# Altium PCB iot_switch.PcbDoc
Units mm, origin at the board's own origin, x right, y up, seen from the top; angles counter-clockwise.
Board outline 55.26 x 41.79 mm, 2 copper layers (Top Layer, Bottom Layer); 68 components, 40 nets, 221 pads, 226 vias.
Unrouted connection lines stored in the file: 2.
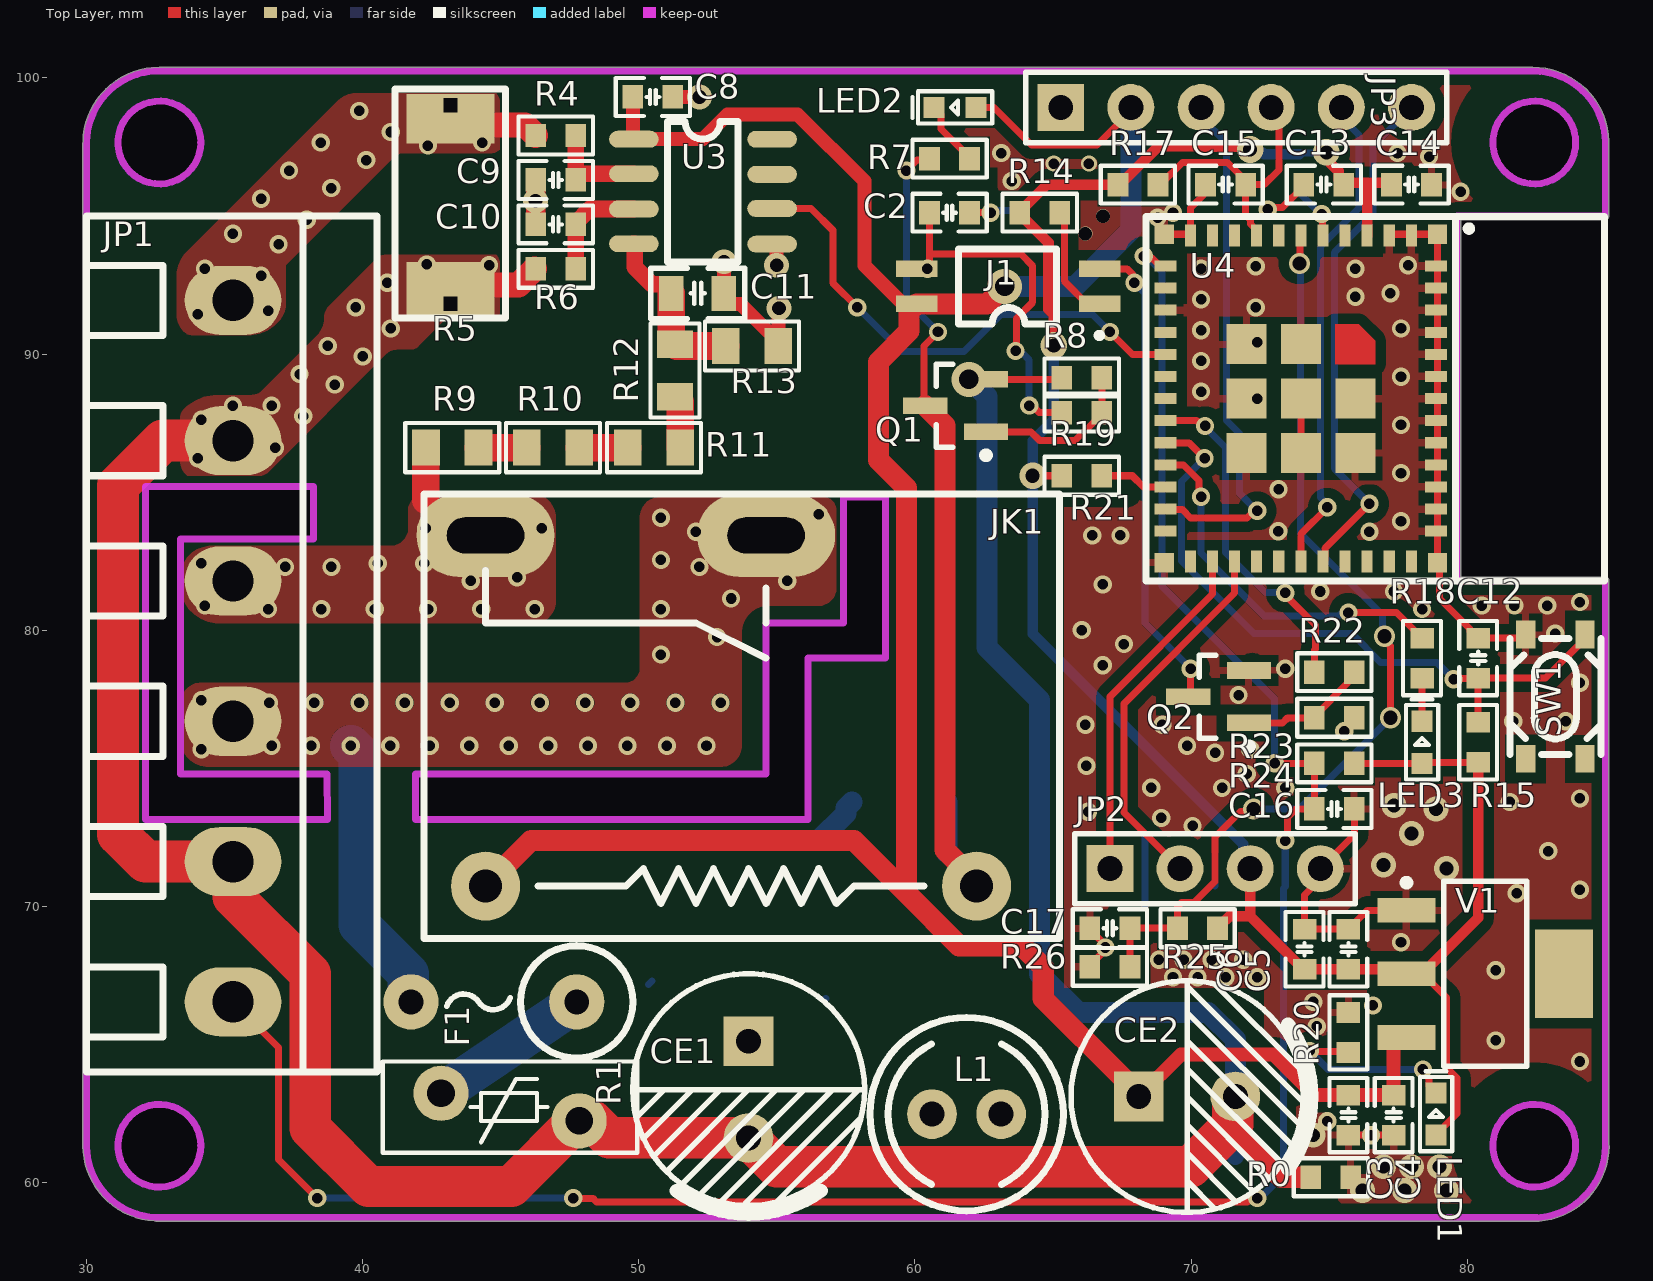
[diagram p0: Top Layer view]
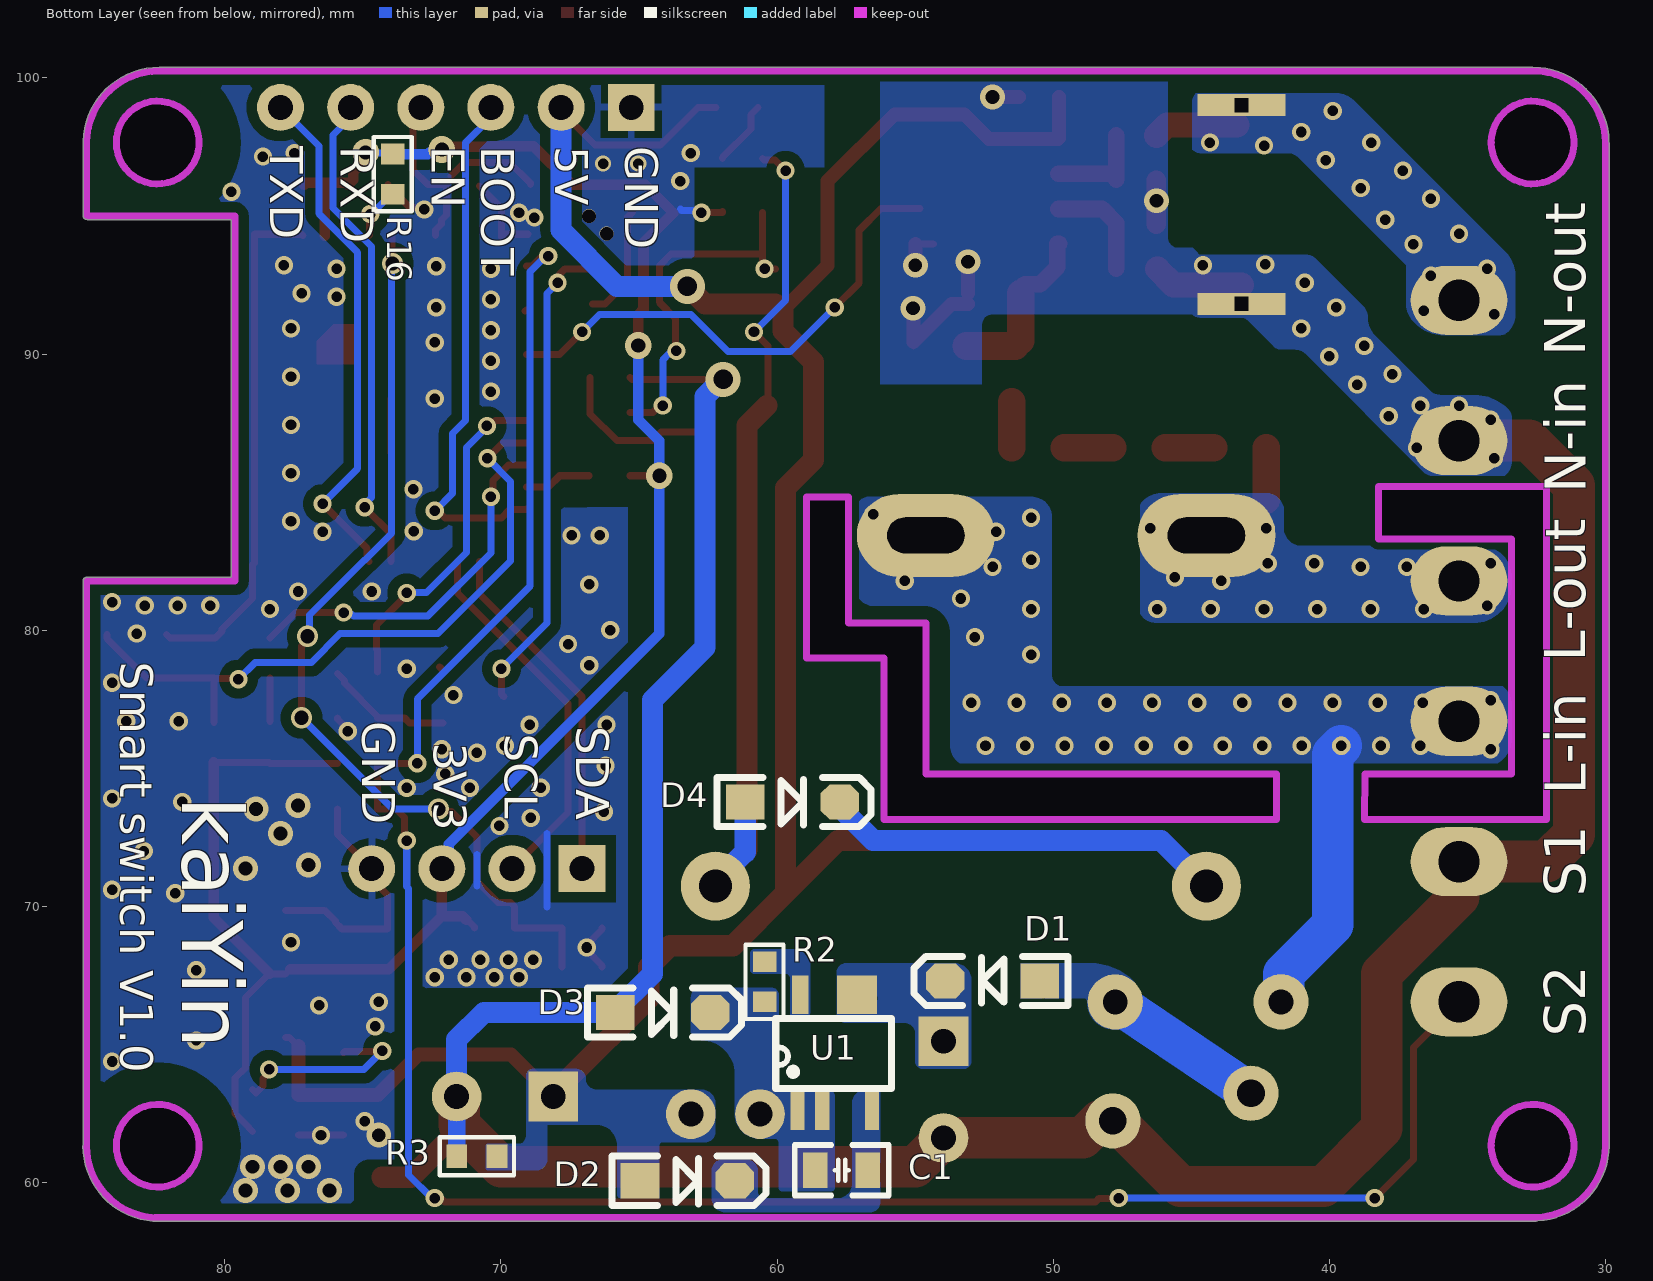
[diagram p1: Bottom Layer view, seen from below]

## Layer stack, top to bottom
Top Solder: solder mask 0.0102, Solder Resist, Dk 3.5
Top Layer: signal copper 0.0356
Dielectric 1: dielectric 0.32, FR-4, Dk 4.8
Bottom Layer: signal copper 0.0356
Bottom Solder: solder mask 0.0102, Solder Resist, Dk 3.5

## Board outline
29.873,61.341 29.873,97.655 29.877,97.689 cw(c32.624,97.638) 32.641,100.385 32.671,100.381 82.342,100.381 82.361,100.383 cw(c82.379,97.636) 85.125,97.71 85.127,97.684 85.127,95.014 cw(c85,95.014) 85.036,94.892 84.963,94.869 79.756,94.869 79.756,81.915 85,81.915 cw(c85,81.788) 85.127,81.788 85.127,61.36 85.131,61.329 cw(c82.384,61.346) 82.367,58.599 82.338,58.603 32.512,58.603 32.459,58.614 cw(c32.62,61.357)
cut-out: 82.423,96.163 cw(c82.423,97.663) 80.923,97.663 cw(c82.423,97.663) 82.423,99.163 cw(c82.423,97.663) 83.923,97.663 cw(c82.423,97.663)
cut-out: 80.923,61.341 ccw(c82.423,61.341) 82.423,59.841 ccw(c82.423,61.341) 83.923,61.341 ccw(c82.423,61.341) 82.423,62.841 ccw(c82.423,61.341)
cut-out: 32.639,59.841 cw(c32.639,61.341) 31.139,61.341 cw(c32.639,61.341) 32.639,62.841 cw(c32.639,61.341) 34.139,61.341 cw(c32.639,61.341)
cut-out: 32.639,96.163 cw(c32.639,97.663) 31.139,97.663 cw(c32.639,97.663) 32.639,99.163 cw(c32.639,97.663) 34.139,97.663 cw(c32.639,97.663)
cut-out: 32.131,73.152 32.131,85.217 38.227,85.217 38.227,83.312 33.401,83.312 33.401,74.803 38.703,74.803 38.735,73.152
cut-out: 41.91,73.152 41.91,74.803 54.61,74.803 54.61,80.264 57.404,80.264 57.404,84.836 58.928,84.836 58.928,78.994 56.134,78.994 56.134,73.152

## Design rules (kind name [scope] priority, off if disabled: settings)
Clearance [All] p1: gap=0.254 ignorepadtopadclearanceinfootprint=FALSE
PolygonConnect PolygonConnect_1 [IsPad vs IsPoly] p1: connectstyle=Direct reliefconductorwidth=0.254 reliefentries=4 polygonreliefangle="90 Angle" airgapwidth=0.254
PolygonConnect [All] p2: connectstyle=Relief reliefconductorwidth=0.254 reliefentries=4 polygonreliefangle="90 Angle" airgapwidth=0.254
RoutingVias [All] p1: holewidth=0.711 width=1.27 viastyle="Through Hole" minholewidth=0.711 minwidth=1.27 maxholewidth=0.711 maxwidth=1.27
SolderMaskExpansion [All] p1: expansion=0.102 istentingtop=FALSE
Width [All] p1: maxlimit=0.254 minlimit=0.254 preferedwidth=0.254
30 further rules are at their usual default settings.

## Classes and differential pairs
net class POW: N_IN
component class Iot_switch: C1 C2 C3 C4 C5 C6 C8 C9 C10 C11 C12 C13 C14 C15 C16 C17 CE1 CE2 D1 D2 D3 D4 F1 J1 JK1 JP1 JP2 JP3 L1 LED3 PWR Q1 Q2 R1 R2 R3 R4 R5 R6 R7 R8 R9 R10 R11 R12 R13 R14 R15 R16 R17 R18 R19 R20 R21 R22 R23 R24 R25 R26 SIG SW1 U1 U3 U4

## Components (designator, comment, footprint, x,y, rotation, side; value= is the part's Value field where it differs from the comment)
C1 "" C0805_L 57.658,60.452 r180 bottom value=1uF/16V
C2 "33nF" C0603_L 61.251,95.123 r0 top
C3 "10uF" C0603_L 75.692,62.447 r90 top
C4 "0.1uF" C0603_L 77.33,62.447 r90 top
C5 "0.1uF" C0603_L 75.692,68.453 r270 top
C6 "10uF" C0603_L 74.105,68.453 r270 top
C8 "0.1uF" C0603_L 50.509,99.314 r180 top
C9 "33nF" C0603_L 46.99,96.308 r180 top
C10 "33nF" C0603_L 46.99,94.7 r0 top
C11 "33nF" C0805_L 52.131,92.202 r0 top
C12 "104" C0603_L 80.391,78.994 r270 top
C13 "10uF" C0603_L 74.803,96.139 r0 top
C14 "0.1uF" C0603_L 77.978,96.139 r180 top
C15 "1uF" C0603_L 71.247,96.139 r0 top
C16 "104" C0603_L 75.184,73.533 r180 top
C17 "10pF" C0603_L 67.056,69.215 r180 top
CE1 "4.7uF/400V" CE-3.5*8*11.5 53.975,63.373 r270 top
CE2 "1000uF/6.3V PET" CE-3.5*8*11.5 69.85,63.119 r0 top
D1 "1N4007/A7" SOD-123 52.197,67.31 r0 bottom
D2 "1N4007/A7" SOD-123 63.246,60.071 r180 bottom
D3 "E2J" SOD-123 64.135,66.167 r180 bottom
D4 "1N4007/A7" SOD-123 59.436,73.787 r180 bottom
F1 "250V/0.5A" "FUSE 4x16_V" 47.752,66.548 r180 top
J1 "TLP281" SOP4 63.373,92.456 r0 top
JK1 "MKT6-S-12DH" MKT6-S-12DH 44.45,70.739 r0 top
JP1 "HDR-1X6" KF128-5.08-6P 35.306,79.248 r270 top
JP2 "HDR-1X4" HDR2.54-M-LI-4P 70.866,71.374 r0 top
JP3 "HDR-1X6" HDR2.54-LI-6P 71.628,98.933 r0 top
L1 "160uH" PK0608 61.869,62.484 r0 top
LED1 "Red" LED0603_R 78.867,62.484 r90 top
LED2 "RED" LED0603_R 61.454,98.933 r180 top
LED3 "Green" LED0603_G 78.359,75.946 r90 top
Q1 "SS8050" SOT23-3M 61.468,88.138 r90 top
Q2 "SS8050" SOT23-3M 70.993,77.597 r90 top
R0 "Comment" R0603_L 75.057,60.198 r0 top
R1 "VDR 07D561K" "VDR 9D-4.5" 45.339,62.738 r180 top
R2 "" R0603_L 60.452,67.273 r90 bottom value=200R
R3 "Res1" R0603_L 70.866,60.96 r180 bottom value=2K
R4 "Res1" R0603_L 46.99,97.917 r180 top value=1K
R5 "" R2512_L 43.18,95.504 r270 top value=0.001R/25A
R6 "Res1" R0603_L 46.99,93.091 r180 top value=1K
R7 "Res1" R0603_L 61.251,97.079 r180 top value=4K7
R8 "10K" R0603_L 66.04,89.154 r180 top
R9 "" R0805_L 43.246,86.614 r180 top value=470K
R10 "" R0805_L 46.896,86.614 r180 top value=470K
R11 "" R0805_L 50.546,86.614 r180 top value=470K
R12 "" R0805_L 51.308,89.408 r270 top value=470K
R13 "Res1" R0805_l 54.102,90.297 r0 top value=1K
R14 "" R0603_l 64.516,95.123 r0 top value=220R
R15 "Res1" R0603_L 80.391,75.946 r270 top value=10K
R16 "" R0603_L 73.914,96.52 r270 bottom value=10K
R17 "" R0603_L 68.072,96.139 r180 top value=10K
R18 "Res1" R0603_L 78.359,78.994 r90 top value=4K7
R19 "" R0603_L 66.04,85.598 r0 top value=10K
R20 "Res1" R0603_L 75.692,65.442 r90 top value=4K7
R21 "1K" R0603_L 66.04,87.884 r0 top
R22 "1K" R0603_L 75.184,78.486 r0 top
R23 "10K" R0603_L 75.184,76.835 r0 top
R24 "Res1" R0603_L 75.184,75.184 r180 top value=4K7
R25 "Res1" R0603_L 70.231,69.215 r0 top value=TBD
R26 "Res1" R0603_L 67.056,67.818 r0 top value=TBD
SW1 "3*4*2.5" SW-SMD-4.2x3.2_4P 83.185,77.597 r90 top
U1 "BP2525F" SOT33-5 57.912,64.643 r90 bottom
U3 "HLW8032" SOP_8 52.324,95.885 r0 top
U4 "ESP32-C3-MINI-1" ESP32-C3-MINI-1 73.959,88.375 r270 top
V1 "LD1117-3V3" SOT223_L 80.645,67.564 r270 top
? "Comment" IPad 43.18,91.846 r90 top
? "Comment" IPad 43.181,99.043 r90 top

## Footprints (in the part's own frame and the unit in brackets; to place one, negate y for a bottom-side part, rotate by r counter-clockwise, add the part's x,y. Pads: shape width x height; smd on the part's side, far side on the other; paste and mask are expansions set on the pad)
C0603_L [mm] "贴片MLCC电容"
  rect 0.75x0.85 smd: 1(-0.725,0) 2(0.725,0)
  silkscreen extent -1.35,-0.69 1.35,0.69, body extent -0.8,-0.4 0.8,0.4, height 0.8
C0805_L [mil] "贴片MLCC电容"
  rect 35x50 smd: 1(-37.4,0) 2(37.4,0)
  silkscreen extent -67,-36 67,36, body extent -39,-26 39,26, height 51
CE-3.5*8*11.5 [mm] "脚距3.5mm直径8mm高度11.5mm       联系卖家 免费人工查找封装"
  rect 1.8x1.8 hole 0.9: 1(-1.75,0)
  round 1.8 hole 0.9: 2(1.75,0)
  silkscreen extent -4.2,-4.2 4.5,4.2, body extent -4,-4 4.01,4, height 11.64
ESP32-C3-MINI-1 [mm]
  rect 0.8x0.4 smd paste+0 mask+0.051: 1(-5.917,4.012) 2(-5.917,3.212) 3(-5.917,2.412) 4(-5.917,1.612) 5(-5.917,0.812) 6(-5.917,0.012) 7(-5.917,-0.788) 8(-5.917,-1.588) 9(-5.917,-2.388) 10(-5.917,-3.188) 11(-5.917,-3.988) 25(5.883,-3.988) 26(5.883,-3.188) 27(5.883,-2.388) 28(5.883,-1.588) 29(5.883,-0.788) 30(5.883,0.012) 31(5.883,0.812) 32(5.883,1.612) 33(5.883,2.412) 34(5.883,3.212) 35(5.883,4.012)
  rect 0.4x0.8 smd paste+0 mask+0.051: 12(-4.817,-4.888) 13(-4.017,-4.888) 14(-3.217,-4.888) 15(-2.417,-4.888) 16(-1.617,-4.888) 17(-0.817,-4.888) 18(-0.017,-4.888) 19(0.783,-4.888) 20(1.583,-4.888) 21(2.383,-4.888) 22(3.183,-4.888) 23(3.983,-4.888) 24(4.783,-4.888) 36(4.783,4.912) 37(3.983,4.912) 38(3.183,4.912) 39(2.383,4.912) 40(1.583,4.912) 41(0.783,4.912) 42(-0.017,4.912) 43(-0.817,4.912) 44(-1.617,4.912) 45(-2.417,4.912) 46(-3.217,4.912) 47(-4.017,4.912) 48(-4.817,4.912)
  rect 1.45x1.45 smd paste+0 mask+0.051: 49(-1.992,0.012) 49(-1.992,-1.963) 49(-0.017,1.987) 49(-0.017,0.012) 49(-0.017,-1.963) 49(1.958,1.987) 49(1.958,0.012) 49(1.958,-1.963)
  rect 0.7x0.7 smd paste+0 mask+0.051: 50(5.933,4.962) 51(5.933,-4.938) 52(-5.967,-4.938) 53(-5.967,4.962)
  Top Layer region: -2.717,2.112 -2.117,2.712 -1.267,2.712 -1.267,1.262 -2.717,1.262 -2.717,2.112 -2.717,2.112
  silkscreen extent -6.62,-5.59 6.58,11.01, body extent -6.65,-5.56 6.55,11.04, height 2.4
"FUSE 4x16_V" [mm] "4*16mm(直径，脚距）         淘宝ID:黄晶宝石"
  round 2 hole 0.9: 1(0,0) 2(6,0)
  silkscreen extent -2.03,-2.03 4.71,2.03, body extent -2,-2 6.3,2, height 13.1
HDR2.54-LI-6P [mm] "排针，6脚                        联系卖家 免费查找封装"
  rect 1.7x1.7 hole 0.9: 1(-6.35,0)
  round 1.7 hole 0.9: 2(-3.81,0) 3(-1.27,0) 4(1.27,0) 5(3.81,0) 6(6.35,0)
  silkscreen extent -7.62,-1.27 7.62,1.27, body extent -7.62,-1.27 7.62,1.27, height 2.54
HDR2.54-M-LI-4P [mm] "排母，4脚"
  rect 1.7x1.7 hole 0.9: 1(-3.81,0)
  round 1.7 hole 0.9: 2(-1.27,0) 3(1.27,0) 4(3.81,0)
  silkscreen extent -5.08,-1.27 5.08,1.27, body extent -5.08,-1.27 5.08,1.27, height 8.5
IPad [mm]
  rect 0.8x3.2 hole 0.5 square: 1(-0.025,0)
KF128-5.08-6P [mm] "螺钉式接线端子，脚距5.08mm"
  oval 2.5x3.5 hole 1.5: 1(-12.7,0) 2(-7.62,0) 3(-2.54,0) 4(2.54,0) 5(7.62,0) 6(12.7,0)
  silkscreen extent -15.75,-5.31 15.24,5.21, body extent -15.74,-5.3 15.24,5.2, height 14.18
LED0603_G [mil] "绿色0603LED"
  rect 30x30 smd: 1(-30,0) 2(30,0)
  silkscreen extent -53,-23 61,23, body extent -31,-16 31,16, height 18
LED0603_R [mil] "红色0603LED"
  rect 30x30 smd: 1(-30,0) 2(30,0)
  silkscreen extent -53,-23 61,23, body extent -31,-16 32,16, height 18
MKT6-S-12DH [mm] "单刀单投/常开"
  round 2.5 hole 1.2: 1(0,0) 2(17.78,0)
  oval 5x3 hole 1.3 slot 2.8 at 0 deg: 3(10.16,12.7) 4(0,12.7)
  silkscreen extent -2.22,-1.9 20.78,14.2, body extent -2.24,-1.9 20.76,14.2, height 10.25
PK0608 [mm] "2.5*7*10mm(脚距，直径，高）"
  round 1.8 hole 0.9: 1(-1.25,0) 2(1.25,0)
  silkscreen extent -3.5,-3.5 3.5,3.5, body extent -3.5,-3.5 3.5,3.5, height 10.02
R0603_L [mm] "1/10W贴片电阻"
  rect 0.75x0.85 smd: 1(-0.725,0) 2(0.725,0)
  silkscreen extent -1.35,-0.69 1.35,0.69, body extent -0.8,-0.4 0.8,0.4, height 0.4
R0603_l [mm] "1/10W贴片电阻"
  rect 0.75x0.85 smd: 1(-0.725,0) 2(0.725,0)
  silkscreen extent -1.35,-0.69 1.35,0.69, body extent -0.8,-0.4 0.8,0.4, height 0.4
R0805_L [mm] "1/8W贴片电阻"
  rect 1x1.3 smd: 1(-0.95,0) 2(0.95,0)
  silkscreen extent -1.7,-0.89 1.7,0.89, body extent -1,-0.62 1,0.63, height 0.5
R0805_l [mm] "1/8W贴片电阻"
  rect 1x1.3 smd: 1(-0.95,0) 2(0.95,0)
  silkscreen extent -1.7,-0.89 1.7,0.89, body extent -1,-0.62 1,0.63, height 0.5
R2512_L [mm] "1W贴片电阻                       联系卖家 免费人工查找封装"
  rect 1.65x3.2 smd: 1(-2.95,0) 2(3,0)
  silkscreen extent -4.1,-2 4.2,2, body extent -3.2,-1.6 3.2,1.6, height 0.56
SOD-123 [mil] "2.7x1.6X1.1mm（长宽高，不包括引脚） 联系卖家 免费人工查找封装"
  rect 55x50 smd: 1(-67.5,0)
  oct 55x50 smd: 2(67.5,0)
  silkscreen extent -108,-35 112,35, body extent -73,-31 73,31, height 50
SOP4 [mm] "间距1.27mm     封装库来自淘宝卖家 ID：黄晶宝石"
  rect 1.5x0.6 smd: 1(3.31,-0.635) 2(3.31,0.635) 3(-3.309,0.635) 4(-3.309,-0.635)
  silkscreen extent -1.81,-1.88 3.4,1.35, body extent -3.49,-1.36 3.51,1.44, height 2.1
SOP_8 [mm]
  oval 1.8x0.61 smd: 1(-2.5,1.9) 2(-2.5,0.65) 3(-2.5,-0.63) 4(-2.5,-1.887) 5(2.5,-1.9) 6(2.5,-0.612) 7(2.5,0.625) 8(2.5,1.897)
  silkscreen extent -1.28,-2.55 1.26,2.53, body extent -3,-2.47 3,2.43, height 1.7
SOT23-3M [mm] "SOT23, 3-Leads, Body 2.9x1.3mm, Pitch 0.95mm, Lead Span 2.4mm, IPC Low Density 联系卖家 获取最新版本"
  rect 0.6x1.6 smd: 1(-0.95,-1.1) 2(0.95,-1.1) 3(0,1.1)
  silkscreen extent -1.92,-1.22 1.5,0.7, body extent -1.5,-1.2 1.5,1.2, height 1.05
SOT33-5 [mil]
  rect 55x20.22 smd paste+0 mask+2: 1(-80,53) 2(-80,17.57) 3(-80,-53.29)
  rect 55x57.09 smd paste+0 mask+2: 4(85,-32)
  rect 55x23.82 smd paste+0 mask+2: 6(85,49.01)
  silkscreen extent -49,-81 51,84, body extent -80,-79 86,78, height 49
SOT223_L [mm] "SOT223, 4-Leads, Body 6.5x3.5mm, Pitch 2.3mm, Lead Span 7mm, IPC High Density"
  rect 0.9x2.1 smd: 1(-2.3,-2.85) 2(0,-2.85) 3(2.3,-2.85)
  rect 3.2x2.1 smd: 4(0,2.85)
  silkscreen extent -3.42,-2.97 3.35,1.5, body extent -3.25,-3.51 3.25,3.51, height 1.65
SW-SMD-4.2x3.2_4P [mm]
  rect 1.001x0.701 smd mask+0.051: 1(-2.25,1.074) 2(-2.25,-1.074) 3(2.25,-1.074) 4(2.25,1.074)
  silkscreen extent -2.1,-1.65 2.1,1.65, body extent -2.32,-1.65 2.32,1.65, height 2.52
"VDR 9D-4.5" [mm] "压敏电阻9mm*4.5mm(直径*厚度）          淘宝ID:黄晶宝石"
  round 2 hole 1: 1(-2.5,0.5) 2(2.5,-0.5)
  silkscreen extent -4.61,-1.65 4.61,1.65, body extent -4.5,-1.5 4.5,1.5, height 10

## Part data
C1: library part Cap, "Capacitor", LatestRevisionDate=17-Jul-2002, LatestRevisionNote="Re-released for DXP Platform.", PackageDescription="Radial Cap, Thru-Hole; 2 Leads; 0.3 in Pin Spacing", PackageReference=RAD-0.3, Published=8-Jun-2000, Publisher="Altium Limited"
C2 C3 C4 C5 C6 C8 C9 C10 C11 C12 C13 C14 C15 C16 C17: library part C, "贴片电容/MLCC电容", BOM名称=无极性贴片电容, 联系下单店铺卖家 免费帮你查找封装="联系下单店铺卖家 免费技术指导"
CE1 CE2: library part CE, "直插电解电容", BOM名称=直插电解电容, 联系下单店铺卖家 免费帮你查找封装="联系下单店铺卖家 免费技术指导"
D1 D2 D3 D4: library part 1N4007, "整流二极管", BOM名称=整流二极管, 当前库版本V2024.5.31，下一版本发布时间2024年8月份 @淘宝卖家:黄晶宝石=最新版本发布网址https://item.taobao.com/item.htm?id=566775463719
F1: library part FUSE-4x16, "4*16保险丝", BOM名称=4x16保险丝, 当前库版本V2024.5.31，下一版本发布时间2024年8月份 @淘宝卖家:黄晶宝石=最新版本发布网址https://item.taobao.com/item.htm?id=566775463719
J1: "光耦", 封装库来自淘宝卖家：黄晶宝石=其他店铺购入均为赃物，无售后更新权益，请立即申请退款，退款后现金奖励200~1000元
JK1: "12V一组常开", BOM名称=12V继电器, 联系卖家 免费查找封装=获取最新版本https://shop463601444.taobao.com
JP1 JP3: library part "Header 6", "6P接插件", BOM名称=6P接插件
  JP1: 联系下单店铺卖家 免费帮你查找封装=最新版本发布https://shop463601444.taobao.com
  JP3: 封装库来自淘宝卖家ID：黄晶宝石=其他店铺购入均为盗版封装库，请立即申请退款，本店现金奖励50~200元, 联系卖家，免费查找封装=唯一出售店铺网址https://shop463601444.taobao.com
JP2: library part "Header 4", "4P接插件", BOM名称=4P接插件, 封装库来自淘宝卖家ID：黄晶宝石=其他店铺购入均为盗版封装库，请立即申请退款，本店现金奖励50~200元, 联系卖家，免费查找封装=唯一出售店铺网址https://shop463601444.taobao.com
L1: library part L-PK, "工字电感", BOM名称=工字电感, 联系下单店铺卖家 免费帮你查找封装="联系下单店铺卖家 免费技术指导"
LED1 LED2 LED3: library part LED, "贴片LED", BOM名称=贴片LED, 封装库来自淘宝卖家：黄晶宝石=其他店铺购入均为盗版封装库，无更新权益，请立即申请退款，本店现金奖励200~1000元
Q1 Q2: library part BCP68, "NPN三极管", 当前库版本V2024.2.3 @淘宝卖家:黄晶宝石=最新版本发布https://item.taobao.com/item.htm?id=566775463719, 联系下单店铺卖家 免费帮你查找封装="联系下单店铺卖家 免费技术支持"
R1: library part R_VSR, "压敏电阻", BOM名称=压敏电阻, 当前库版本V2024.5.31，下一版本发布时间2024年8月份 @淘宝卖家:黄晶宝石=最新版本发布网址https://item.taobao.com/item.htm?id=566775463719
R2 R5 R9 R10 R11 R12 R14 R16 R17 R19: library part Res1, "Resistor", LatestRevisionDate=17-Jul-2002, LatestRevisionNote="Re-released for DXP Platform.", PackageDescription="Axial Device, Thru-Hole; 2 Leads; 0.3 in Pin Spacing", PackageReference=AXIAL-0.3, Published=8-Jun-2000, Publisher="Altium Limited"
R3 R4 R6 R13: "Resistor", LatestRevisionDate=17-Jul-2002, LatestRevisionNote="Re-released for DXP Platform.", PackageDescription="Axial Device, Thru-Hole; 2 Leads; 0.3 in Pin Spacing", PackageReference=AXIAL-0.3, Published=8-Jun-2000, Publisher="Altium Limited"
R7 R15 R18 R20 R24 R25 R26: "贴片电阻", LatestRevisionDate=17-Jul-2002, LatestRevisionNote="Re-released for DXP Platform.", PackageReference=AXIAL-0.4, Published=8-Jun-2000, Publisher="Altium Limited"
R8 R21 R22 R23: library part Res1, "贴片电阻", LatestRevisionDate=17-Jul-2002, LatestRevisionNote="Re-released for DXP Platform.", PackageReference=AXIAL-0.4, Published=8-Jun-2000, Publisher="Altium Limited"
SW1: library part "SW SMD-3*4*2.5", "贴片4脚轻触开关", 联系下单店铺卖家 免费技术支持="联系下单店铺卖家 免费帮你查找封装"
U1: library part BP2525X
V1: library part LD1117, "三端稳压芯片", BOM名称=稳压芯片, 当前库版本V2024.5.31，下一版本发布时间2024年8月份 @淘宝卖家:黄晶宝石=最新版本发布网址https://item.taobao.com/item.htm?id=566775463719, 联系下单店铺卖家 免费帮你查找封装="联系下单店铺卖家 免费技术支持"

## Via types
v1: diameter 0.66, hole 0.381, Top Layer to Bottom Layer, tented both sides, 193 vias
v2: diameter 0.9, hole 0.5, Top Layer to Bottom Layer, tented both sides, 17 vias
v3: diameter 0.762, hole 0.508, Top Layer to Bottom Layer, tented both sides, 4 vias
v4: diameter 0.965, hole 0.508, Top Layer to Bottom Layer, tented both sides, 4 vias
v5: diameter 0.66, hole 0.381, Top Layer to Bottom Layer, 2 vias
v6: diameter 0.508, hole 0.5, Top Layer to Bottom Layer, tented both sides, 2 vias
v7: diameter 0.584, hole 0.381, Top Layer to Bottom Layer, tented both sides, 2 vias
v8: diameter 1.27, hole 0.711, Top Layer to Bottom Layer, tented both sides, 2 vias
